# Altium PCB Main_Board.PcbDoc (part 4 of 19)
Units mil, origin at the board's own origin, x right, y up, seen from the top; angles counter-clockwise.
Board outline 5306 x 6610 mil, 12 copper layers ((L1) Top, (L2) Inner 1, (L3) Inner 2, (L4) Inner 3, (L5) Inner 4, (L6) Inner 5, (L7) Inner 6, (L8) Inner 7, (L9) Inner 8, (L10) Inner 9, (L11) Inner 10, (L12) Bottom), stack 94.81 mil thick; 347 components, 571 nets, 2611 pads, 4053 vias.
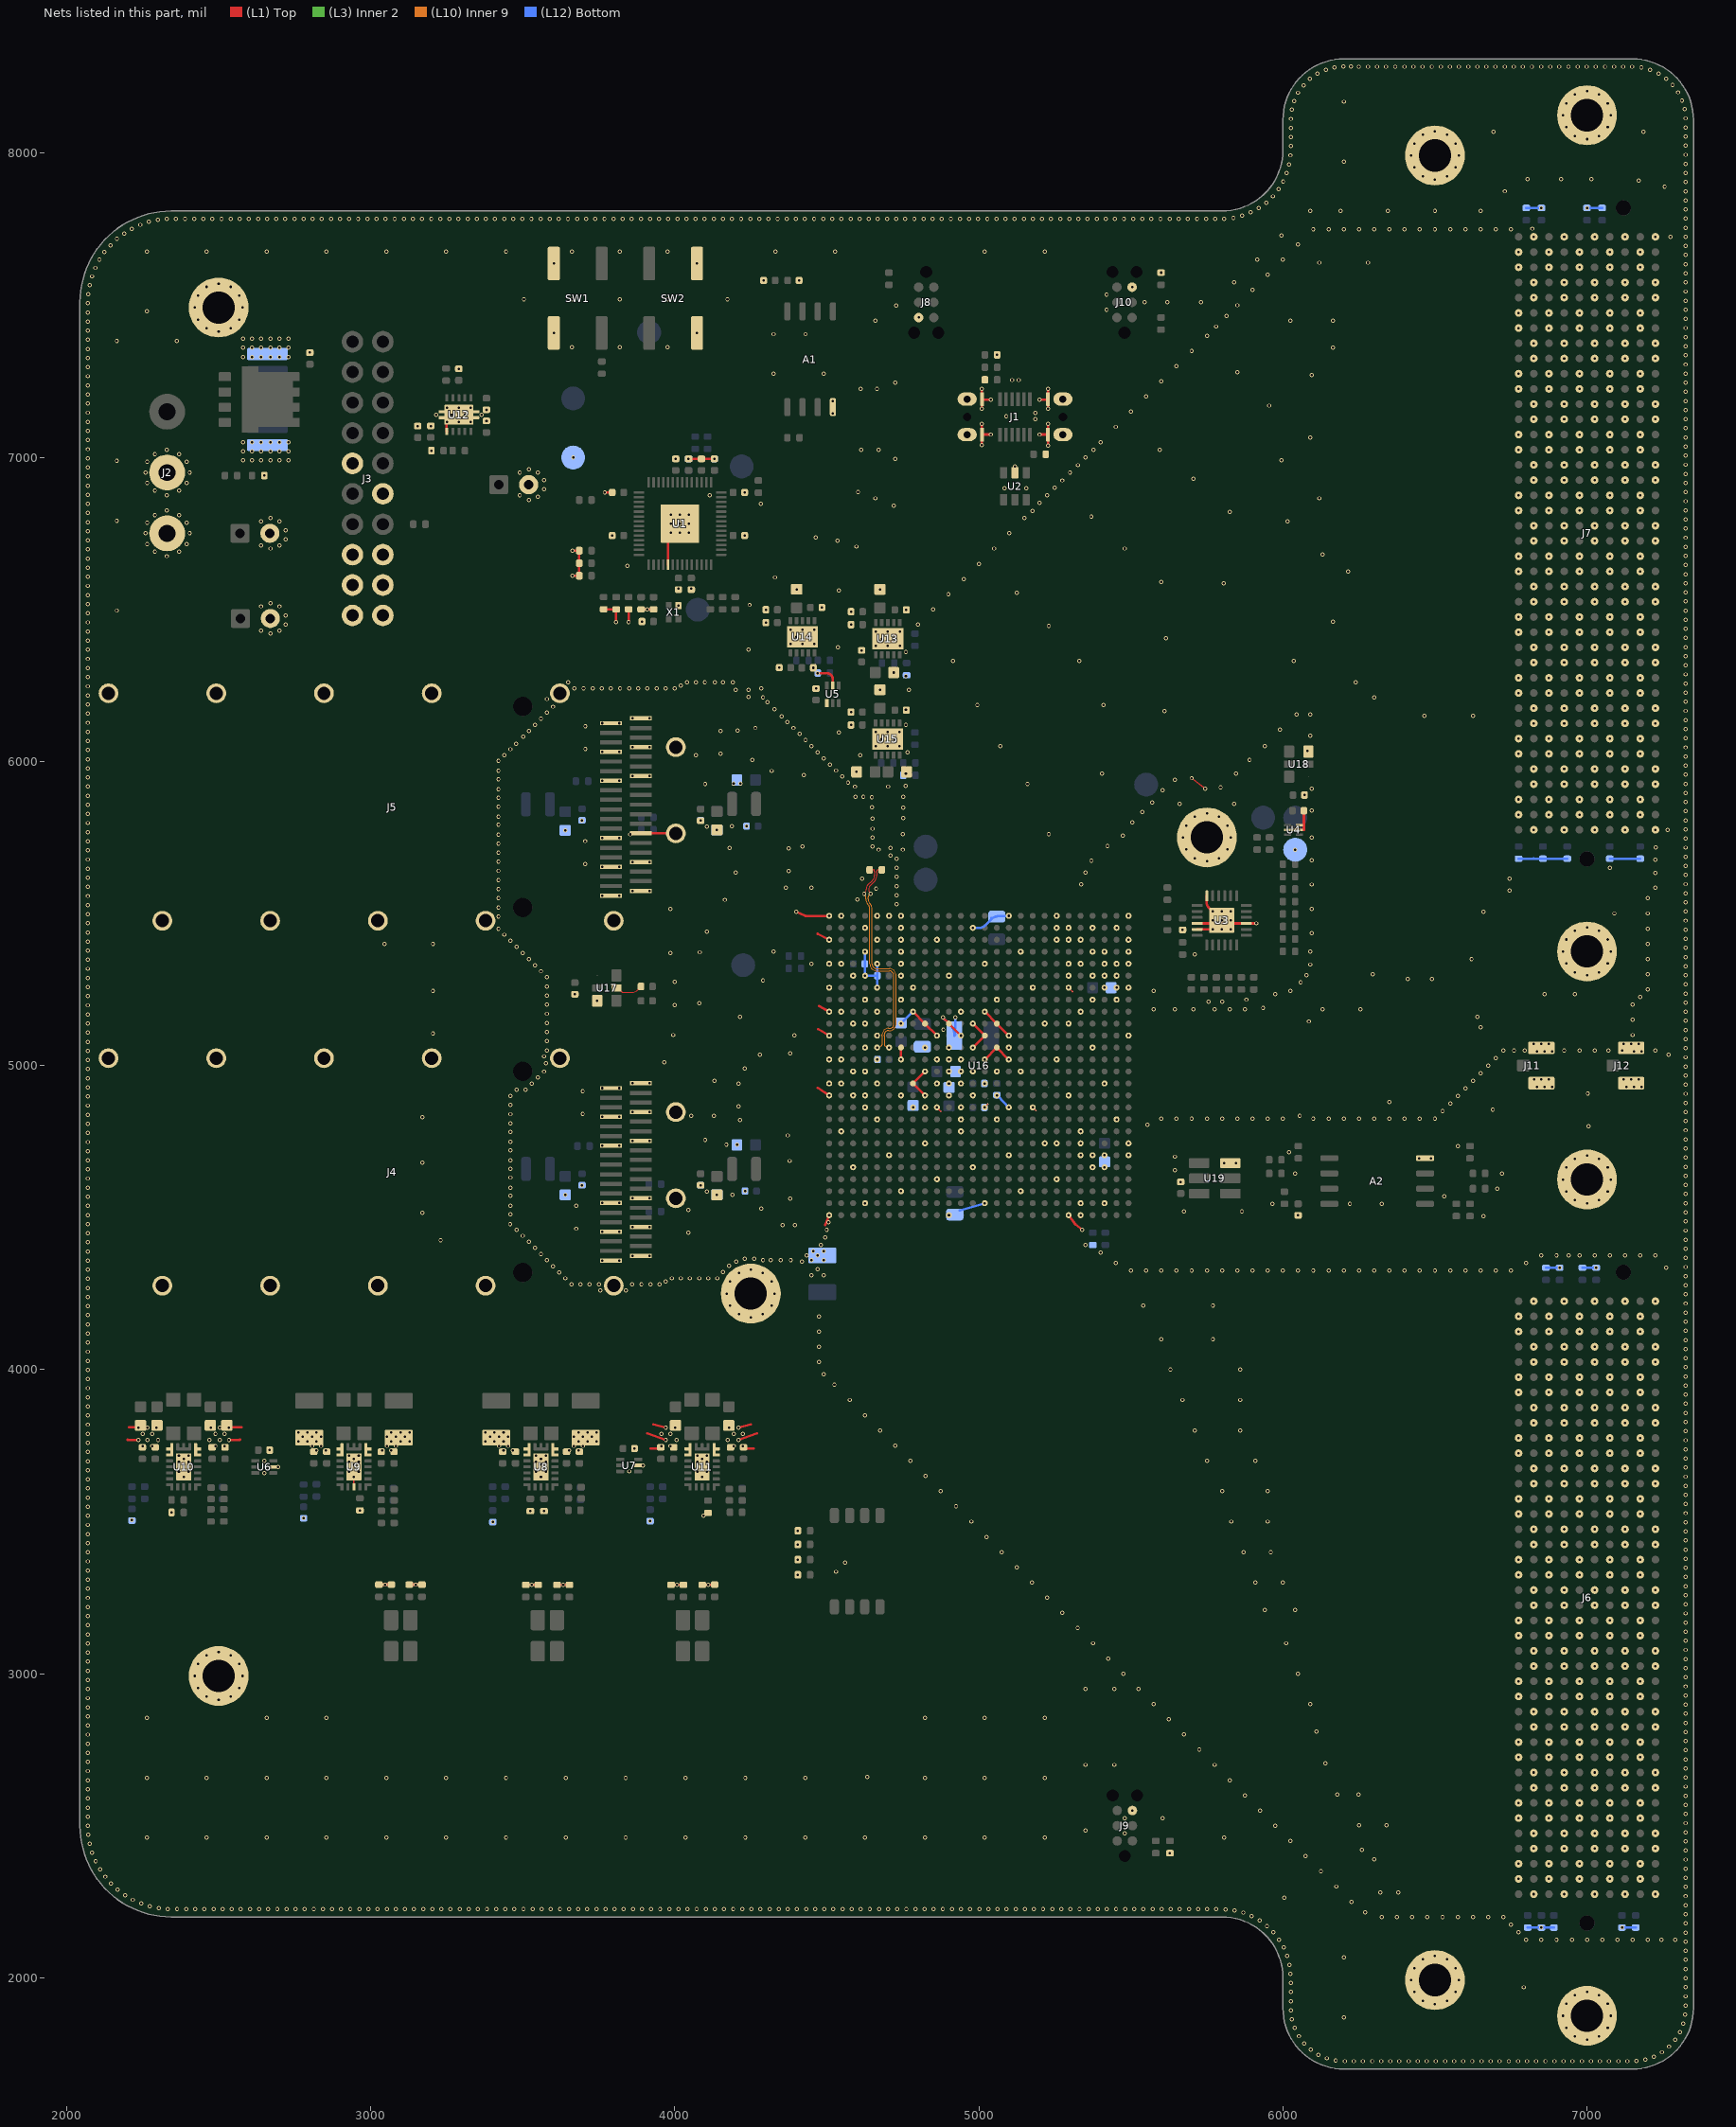
[diagram p14: the nets of this part, all layers, seen from the top]

## Via types
v1: diameter 13.78, hole 7.87, (L1) Top to (L12) Bottom, tented both sides, 4044 vias
v2: diameter 13.78, hole 7.87, (L1) Top to (L12) Bottom, tented bottom, 9 vias

## Nets (pads, with @x,y where several pads share a name; then routed paths per layer and width w, separated by ;. In a path a pad name is that pad's centre, name@x,y a point inside that pad or via, vN(x,y) a via of type N, cw(c..) or ccw(c..) an arc to the next point about the centre after c; other vN are vias at no path point) (continued)
GND: A1.4 A2.4 C1.1 C2.1 C3.1 C4.1 C5.1 C6.1 C7.1 C8.1 C9.1 C10.1 C11.1 C12.1 C13.1 C14.1 C15.1 C16.1 C17.2 C18.2 C19.1 C20.1 C21.1 C22.1 C23.1 C24.1 C25.1 C26.1 C27.1 C28.1 C29.1 C30.1 C31.1 C32.1 C33.1 C34.1 C35.1 C36.1 C37.1 C38.1 C39.1 C40.1 C41.1 C42.1 C43.1 C44.2 C45.2 C48.1 C49.1 C50.1 C51.1 C52.1 C53.2 C54.2 C57.1 C58.1 C59.1 C60.1 C61.1 C62.1 C63.1 C64.1 C65.1 C68.1 C69.1 C70.1 C71.1 C72.1 C73.1 C74.1 C77.1 C78.1 C79.1 C80.2 C81.1 C82.1 C83.1 C84.1 C85.1 C86.1 C87.1 C88.1 C89.1 C90.1 C91.1 C92.1 C93.1 C94.1 C95.1 C96.1 C97.1 C98.1 C99.1 C100.1 C101.1 C102.1 C103.1 C104.1 C105.1 C106.1 C107.2 C108.2 C109.1 C110.1 C111.1 C112.1 C113.1 C114.1 C115.1 C116.1 C117.1 C118.1 C120.2 C122.1 C123.1 C124.1 J1.A1 J1.A12 J1.B1 J1.B12 J1.TAB J2.2 J2.3 J3.9 J3.12 J3.15 J3.16 J3.17 J3.18 J3.19 J3.20 J4.1 J4.4 J4.7 J4.13 J4.16 J4.19 J4.20 J4.23 J4.26 J4.32 J4.35 J4.38 J4.G1 J4.G2 J4.G3 J4.G4 J4.G5 J4.G6 J4.G7 J4.G8 J4.G9 J4.G10 J4.G11 J4.G12 J5.1 J5.4 J5.7 J5.13 J5.16 J5.19 J5.20 J5.23 J5.26 J5.32 J5.35 J5.38 J5.G1 J5.G2 J5.G3 J5.G4 J5.G5 J5.G6 J5.G7 J5.G8 J5.G9 J5.G10 J5.G11 J5.G12 J6.A1 J6.A4 J6.A5 J6.A8 J6.A9 J6.A12 J6.A13 J6.A16 J6.A17 J6.A20 J6.A21 J6.A24 J6.A25 J6.A28 J6.A29 J6.A32 J6.A33 J6.A36 J6.A37 J6.A40 J6.B2 J6.B3 J6.B6 J6.B7 J6.B10 J6.B11 J6.B14 J6.B15 J6.B18 J6.B19 J6.B22 J6.B23 J6.B26 J6.B27 J6.B30 J6.B31 J6.B34 J6.B35 J6.B38 J6.B39 J6.C1 J6.C4 J6.C5 J6.C8 J6.C9 J6.C12 J6.C13 J6.C16 J6.C17 J6.C20 J6.C21 J6.C24 J6.C25 J6.C28 J6.C29 J6.C32 J6.C33 J6.C36 J6.C37 J6.C40 J6.D2 J6.D3 J6.D6 J6.D7 J6.D10 J6.D11 J6.D14 J6.D15 J6.D18 J6.D19 J6.D22 J6.D23 J6.D26 J6.D27 J6.D30 J6.D31 J6.D34 J6.D35 J6.D38 J6.D39 J6.E1 J6.E4 J6.E5 J6.E8 J6.E9 J6.E12 J6.E13 J6.E16 J6.E17 J6.E20 J6.E21 J6.E24 J6.E25 J6.E28 J6.E29 J6.E32 J6.E33 J6.E36 J6.E37 J6.E40 J6.F2 J6.F3 J6.F6 J6.F7 J6.F10 J6.F11 J6.F14 J6.F15 J6.F18 J6.F19 J6.F22 J6.F23 J6.F26 J6.F27 J6.F30 J6.F31 J6.F34 J6.F35 J6.F38 J6.F39 J6.G1 J6.G4 J6.G5 J6.G8 J6.G9 J6.G12 J6.G13 J6.G16 J6.G17 J6.G20 J6.G21 J6.G24 J6.G25 J6.G28 J6.G29 J6.G32 J6.G33 J6.G36 J6.G37 J6.G40 J6.H2 J6.H3 J6.H6 J6.H7 J6.H10 J6.H11 J6.H14 J6.H15 J6.H18 J6.H19 J6.H22 J6.H23 J6.H26 J6.H27 J6.H30 J6.H31 J6.H34 J6.H35 J6.H38 J6.H39 J6.J1 J6.J4 J6.J5 J6.J8 J6.J9 J6.J12 J6.J13 J6.J16 J6.J17 J6.J20 J6.J21 J6.J24 J6.J25 J6.J28 J6.J29 J6.J32 J6.J33 J6.J36 J6.J37 J6.J40 J6.K2 J6.K3 J6.K6 J6.K7 J6.K10 J6.K11 J6.K14 J6.K15 J6.K18 J6.K19 J6.K22 J6.K23 J6.K26 J6.K27 J6.K30 J6.K31 J6.K34 J6.K35 J6.K38 J6.K39 J7.A1 J7.A4 J7.A5 J7.A8 J7.A9 J7.A12 J7.A13 J7.A16 J7.A17 J7.A20 J7.A21 J7.A24 J7.A25 J7.A28 J7.A29 J7.A32 J7.A33 J7.A36 J7.A37 J7.A40 J7.B2 J7.B3 J7.B6 J7.B7 J7.B10 J7.B11 J7.B14 J7.B15 J7.B18 J7.B19 J7.B22 J7.B23 J7.B26 J7.B27 J7.B30 J7.B31 J7.B34 J7.B35 J7.B38 J7.B39 J7.C1 J7.C4 J7.C5 J7.C8 J7.C9 J7.C12 J7.C13 J7.C16 J7.C17 J7.C20 J7.C21 J7.C24 J7.C25 J7.C28 J7.C29 J7.C32 J7.C33 J7.C36 J7.C37 J7.C40 J7.D2 J7.D3 J7.D6 J7.D7 J7.D10 J7.D11 J7.D14 J7.D15 J7.D18 J7.D19 J7.D22 J7.D23 J7.D26 J7.D27 J7.D30 J7.D31 J7.D34 J7.D35 J7.D38 J7.D39 J7.E1 J7.E4 J7.E5 J7.E8 J7.E9 J7.E12 J7.E13 J7.E16 J7.E17 J7.E20 J7.E21 J7.E24 J7.E25 J7.E28 J7.E29 J7.E32 J7.E33 J7.E36 J7.E37 J7.E40 J7.F2 J7.F3 J7.F6 J7.F7 J7.F10 J7.F11 J7.F14 J7.F15 J7.F18 J7.F19 J7.F22 J7.F23 J7.F26 J7.F27 J7.F30 J7.F31 J7.F34 J7.F35 J7.F38 J7.F39 J7.G1 J7.G4 J7.G5 J7.G8 J7.G9 J7.G12 J7.G13 J7.G16 J7.G17 J7.G20 J7.G21 J7.G24 J7.G25 J7.G28 J7.G29 J7.G32 J7.G33 J7.G36 J7.G37 J7.G40 J7.H2 J7.H3 J7.H6 J7.H7 J7.H10 J7.H11 J7.H14 J7.H15 J7.H18 J7.H19 J7.H22 J7.H23 J7.H26 J7.H27 J7.H30 J7.H31 J7.H34 J7.H35 J7.H38 J7.H39 J7.J1 J7.J4 J7.J5 J7.J8 J7.J9 J7.J12 J7.J13 J7.J16 J7.J17 J7.J20 J7.J21 J7.J24 J7.J25 J7.J28 J7.J29 J7.J32 J7.J33 J7.J36 J7.J37 J7.J40 J7.K2 J7.K3 J7.K6 J7.K7 J7.K10 J7.K11 J7.K14 J7.K15 J7.K18 J7.K19 J7.K22 J7.K23 J7.K26 J7.K27 J7.K30 J7.K31 J7.K34 J7.K35 J7.K38 J7.K39 J8.5 J9.5 J10.5 J11.2 J12.2 MH1.0 MH2.0 MH3.0 MH4.0 MH5.0 MH6.0 MH7.0 MH8.0 MH9.0 MH10.0 NT2.2 NT4.2 NT6.2 NT8.2 R7.1 R8.1 R9.1 R10.1 R11.1 R12.1 R13.1 R14.1 R16.1 R17.1 R18.1 R23.1 R25.1 R26.1 R27.1 R28.1 R29.1 R30.1 R31.1 R32.1 R33.1 R34.1 R35.1 R36.1 R62.1 R63.1 R64.1 R65.1 R66.1 R67.1 R68.1 R69.1 R70.1 R71.1 R72.1 R73.1 R74.1 R75.1 R76.1 R77.1 R78.1 R79.1 R81.1 R82.1 R87.1 R94.1 R100.1 R105.1 R109.1 R112.1 R116.1 R120.1 R134.1 R135.1 R136.1 R137.1 R138.1 R139.1 SW1.3 SW1.4 SW2.3 SW2.4 TJ1.1 TJ2.1 TP5.1 TP6.1 U1.19 U1.57 U2.2 U3.9 U3.18 U3.22 U3.23 U3.25 U4.2 U4.5 U5.2 U5.4 U6.2 U7.2 U8.6 U8.8 U8.17 U9.6 U9.8 U9.15 U9.17 U10.6 U10.8 U10.17 U11.6 U11.8 U11.17 U12.6 U12.11 U13.11 U14.11 U15.11 U16.A1 U16.A2 U16.A5 U16.A6 U16.A7 U16.A16 U16.A20 U16.A26 U16.AA6 U16.AA16 U16.AA22 U16.AA23 U16.AA24 U16.AA26 U16.AB3 U16.AB13 U16.AB23 U16.AB24 U16.AC10 U16.AC20 U16.AD7 U16.AD17 U16.AE4 U16.AE14 U16.AE22 U16.AE24 U16.AF1 U16.AF11 U16.AF21 U16.AF22 U16.B4 U16.B7 U16.B13 U16.B20 U16.B21 U16.B23 U16.B25 U16.C1 U16.C5 U16.C7 U16.C10 U16.C20 U16.C21 U16.C22 U16.C26 U16.D4 U16.D7 U16.D17 U16.D23 U16.D24 U16.D26 U16.E1 U16.E2 U16.E5 U16.E7 U16.E14 U16.E21 U16.E22 U16.E24 U16.E25 U16.E26 U16.F3 U16.F4 U16.F7 U16.F11 U16.F21 U16.F23 U16.F24 U16.F25 U16.G1 U16.G5 U16.G8 U16.G18 U16.G21 U16.G24 U16.G25 U16.G26 U16.H4 U16.H7 U16.H15 U16.H23 U16.H25 U16.J1 U16.J2 U16.J5 U16.J8 U16.J12 U16.J14 U16.J22 U16.K3 U16.K4 U16.K7 U16.K9 U16.K11 U16.K13 U16.K15 U16.K19 U16.K21 U16.L1 U16.L5 U16.L10 U16.L12 U16.L14 U16.L16 U16.L26 U16.M4 U16.M7 U16.M9 U16.M11 U16.M13 U16.M15 U16.M16 U16.M23 U16.N1 U16.N2 U16.N5 U16.N7 U16.N10 U16.N11 U16.N12 U16.N14 U16.N16 U16.N20 U16.P3 U16.P4 U16.P9 U16.P11 U16.P12 U16.P13 U16.P15 U16.P17 U16.R1 U16.R2 U16.R5 U16.R8 U16.R10 U16.R11 U16.R12 U16.R14 U16.R24 U16.T1 U16.T3 U16.T4 U16.T7 U16.T9 U16.T11 U16.T13 U16.T15 U16.T21 U16.U4 U16.U8 U16.U9 U16.U10 U16.U12 U16.U14 U16.U16 U16.U18 U16.V5 U16.V12 U16.V15 U16.V25 U16.W2 U16.W12 U16.W22 U16.Y9 U16.Y19 U16.Y20 U16.Y22 U16.Y26 U17.3 U18.3 U19.3 X1.2 | length 4748.2
  (L1) Top w4: U9.15@2945,3614.06 v1(2945,3647.52) ; v1(5019.69,4862.2) cw(c5023.26,4862.2) U16.U14@5020.73,4864.73
  (L1) Top w5: v1(4862.2,4862.2) 4862.2,4861.8 NT4.2@4875,4849 ; U16.U14@5020.73,4864.73 NT2.2@5030,4874 ; U2.2@5119,6949 U2.2@5119,6949.29 v1(5119,6970) ; U16.U18@5177,4862 U16.U18@5177.46,4862 ; v1(5177.17,4862.2) 5177.26,4862.2 U16.U18@5177.46,4862 ; U16.U18@5178,4862 U16.U18@5177.46,4862 ; NT6.2@5187.93,4851.53 U16.U18@5177.46,4862 ; U16.T21@5294.47,4903.53 cw(c5292.5,4901.57) v1(5295.28,4901.57) ; v1(5295.28,5255.91) 5295.28,5255.72 NT8.2@5308,5243 ; v1(5700,5945) 5733.09,5919.93 v1(5745,5910)
  (L1) Top w8: 2200,3770 2201.11,3768.89 v1(2235.78,3768.89) ; 2205,3810 2234.67,3810 v1(2235.78,3808.89) ; v1(2534.22,3768.89) 2568.89,3768.89 2570,3770 ; v1(2534.22,3808.89) 2535.33,3810 2575,3810 ; R35.1@3027.01,3292.83 v1(3047.46,3292.83) R36.1@3068.04,3292.83 ; R34.1@3126.92,3292.83 v1(3147.71,3292.83) R33.1@3168.66,3292.83 ; U12.11@3250,7115 3250,7086.4 ccw(c3252.15,7086.4) U12.6@3250.63,7084.88 ; R32.1@3509.97,3292.28 v1(3530.14,3292.28) R31.1@3551,3292.28 ; R29.1@3612.68,3292.28 v1(3633.1,3292.28) R30.1@3653.72,3292.28 ; v1(3663.17,6610.48) R9.1@3685.92,6610.48 R7.1@3685.92,6693 v1(3664,6693) ; R10.1@3766,6500.15 R11.1@3807.21,6500.15 3807.21,6458.21 v1(3807,6458) ; v1(3770,6885) 3792.65,6885 cw(c3792.65,6882.82) C5.1@3794.19,6884.36 ; v1(3848,6458) 3848.12,6458.12 3848.12,6500.03 R12.1@3848.24,6500.15 ; J5.26@3888.58,5763.39 J5.G11@4003.54,5763.39 ; R13.1@3889.27,6499.92 R14.1@3930.31,6499.92 ; 3910,3790 v1(3970.78,3768.89) ; 3920,3740 3947.3,3740 3952.58,3745.53 v1(3955.78,3748.89) ; 3930,3820 v1(3970.78,3808.89) ; U1.19@3977.63,6646.67 3977.63,6758.24 cw(c4011.23,6758.24) v1(3987.47,6782) ; R28.1@3987.47,3292.38 v1(4007.64,3292.38) 4028.41,3292.38 R27.1@4028.51,3292.28 ; v1(4045.45,6994.88) C3.1@4087.87,6994.88 v1(4130.28,6994.88) ; R26.1@4090.19,3292.28 v1(4110.44,3292.28) 4129.89,3292.28 ccw(c4129.89,3294.16) R25.1@4131.22,3292.83 ; v1(4209.22,3768.89) 4270,3790 ; v1(4209.22,3808.89) 4250,3820 ; v1(4224.22,3748.89) 4227.42,3745.53 4232.7,3740 4260,3740 ; v1(4400,5505) 4427.47,5492.69 ccw(c4430.71,5500) 4430.68,5492 v1(4507.87,5492.13) ; 4470,4927 v1(4507.87,4901.57) ; 4470,5433 v1(4507.87,5413.39) ; v1(4470,6290) 4500,6290 cw(c4500,6270.31) 4519.69,6270.31 U5.2@4519.69,6250 ; 4471,5120 v1(4507.87,5098.43) ; 4475,5196 v1(4507.87,5177.17) ; 4495,4475 4499.73,4487.07 v1(4507.87,4507.87) ; v1(4744.09,5019.69) U16.M7@4744.09,5059.06 ; v1(4783.46,5177.17) U16.K9@4822.83,5137.8 v1(4862.2,5098.43) ; v1(4822.83,4901.57) U16.R8@4783.46,4940.94 v1(4822.83,4980.31) ; v1(4882,5158) 4901.13,5138.87 cw(c4900.05,5137.8) U16.K11@4901.57,5137.8 v1(4940.94,5098.43) ; v1(4980.31,5059.06) U16.L14@5019.69,5098.43 v1(4980.31,5137.8) ; v1(5010,7040) v1(5010,7110) ; v1(5010,7160) J1.A1@5010,7191.46 ; v1(5010,7225) J1.A1@5010,7191.46 ; J1.B12@5010.73,7074.54 5010.73,7075 v1(5040,7075) ; v1(5019.69,5019.69) U16.M15@5059.06,5059.06 v1(5098.43,5019.69) ; v1(5019.69,5177.17) U16.K15@5059.06,5137.8 v1(5098.43,5098.43) ; v1(5040,7190) 5011.46,7190 cw(c5011.46,7191.46) J1.A1@5010,7191.46 ; v1(5200,7075) J1.B1@5228,7075 ; v1(5200,7190) 5226.54,7190 ccw(c5226.54,7191.46) J1.A12@5228,7191.46 ; v1(5228,7039) J1.B1@5228,7075 ; v1(5228,7110) J1.B1@5228,7075 ; v1(5228,7160) J1.A12@5228,7191.46 ; v1(5228,7225) J1.A12@5228,7191.46 ; J1.TAB@5276.48,7074.54 J1.TAB@5276.48,7075 ; v1(5295.28,4507.87) 5316.34,4478.91 ccw(c5322.81,4483.61) 5317.86,4477.33 v1(5340,4460) ; U3.23@5718,5447.63 v2(5769.18,5447.63) ; U3.22@5718,5467.31 5731.72,5467.28 5761.37,5467.28 5769.17,5467.27 U3.25@5781.94,5467.26 ; U3.18@5749.5,5557.87 5749.39,5544.15 5749.39,5535.28 ccw(c5772.73,5535.28) 5756.22,5518.78 ; 5756.23,5518.77 U3.25@5775,5500 ; v2(5798.71,5477.16) ccw(c5808.55,5477.16) 5808.55,5467.32 U3.9@5879.42,5467.31 v1(5912.69,5467.31) ; U4.2@6035,5775 6068.9,5775 C20.1@6068.9,5838.16
  (L3) Inner 2 w8: v1@3662,6610 cw(c3663.17,6608.83) v1(3663.17,6610.48)
  (L12) Bottom w8: C103.1@4624.8,5334 4625.39,5333.41 4625.39,5295.87 v1(4625.98,5295.28) 4626.12,5295.14 C102.1@4665.96,5295.14 ; C103.1@4625,5335 ccw(c4622.62,5337.38) 4625.98,5337.38 v1(4625.98,5374.02) ; v1(4665.35,5255.91) 4665.73,5256.28 4665.73,5294.63 C102.1@4666.1,5295 C102.1@4665.96,5295.14 ; v1(4665.35,5334.65) 4665.73,5334.27 4665.73,5295.37 C102.1@4665.96,5295.14 ; C116.1@4745,5140 4745.7,5140 4782.87,5177.17 v1(4783.46,5177.17) ; v1(4882,5158) 4904.37,5135.63 cw(c4867.17,5098.43) C107.2@4919.78,5098.43 ccw(c4914.43,5103.78) 4922,5103.78 v1(4922,5158) ; C106.1@4937.5,4522.62 v1(5019.69,4547.24) ; v1(4980.31,5452.76) 5002.51,5452.76 ccw(c5002.51,5477.49) 5019.99,5459.99 5042.61,5482.61 cw(c5059,5466.23) C105.1@5048.66,5486.97 ; C105.1@5040.3,5485 C105.1@5048.66,5486.97 ; v1(5059.06,4901.57) 5065.69,4897.35 v1(5098.43,4862.2) v1@5100,4860 ; v1(5098.43,5492.13) 5097.32,5491.02 5060.62,5491.02 C105.1@5059,5489.4 ; R79.1@6775,5679.92 6775.04,5679.96 6825.89,5679.96 ; R72.1@6800,7820.08 v1(6850,7820.08) ; R70.1@6805,2165 R70.1@6805,2165 6890.99,2164.96 R64.1@6891.03,2164.92 ; 6825,5680.85 6825.89,5679.96 ; R63.1@6865,4335.08 v1(6910,4335.08) ; R73.1@6935,5680 R73.1@6935,5680 6825.89,5679.96 ; R65.1@6985,4335.08 6985.04,4335.04 v1(7030,4335) v1(7030,4335) ; v1(7000,7820.08) R71.1@7050,7820.08 ; R78.1@7075,5680 R75.1@7175,5680 ; v1(7115,2164.92) R66.1@7160,2164.92 ; C105.1@5048.66,5486.97 cw(c5059,5466.23) C105.1@5059,5489.4 ; C105.1@5048.66,5486.97 C105.1@5059,5489.4